# Allegro board C000PD020-3399PRO-DMEB-A-A01.brd (continued)
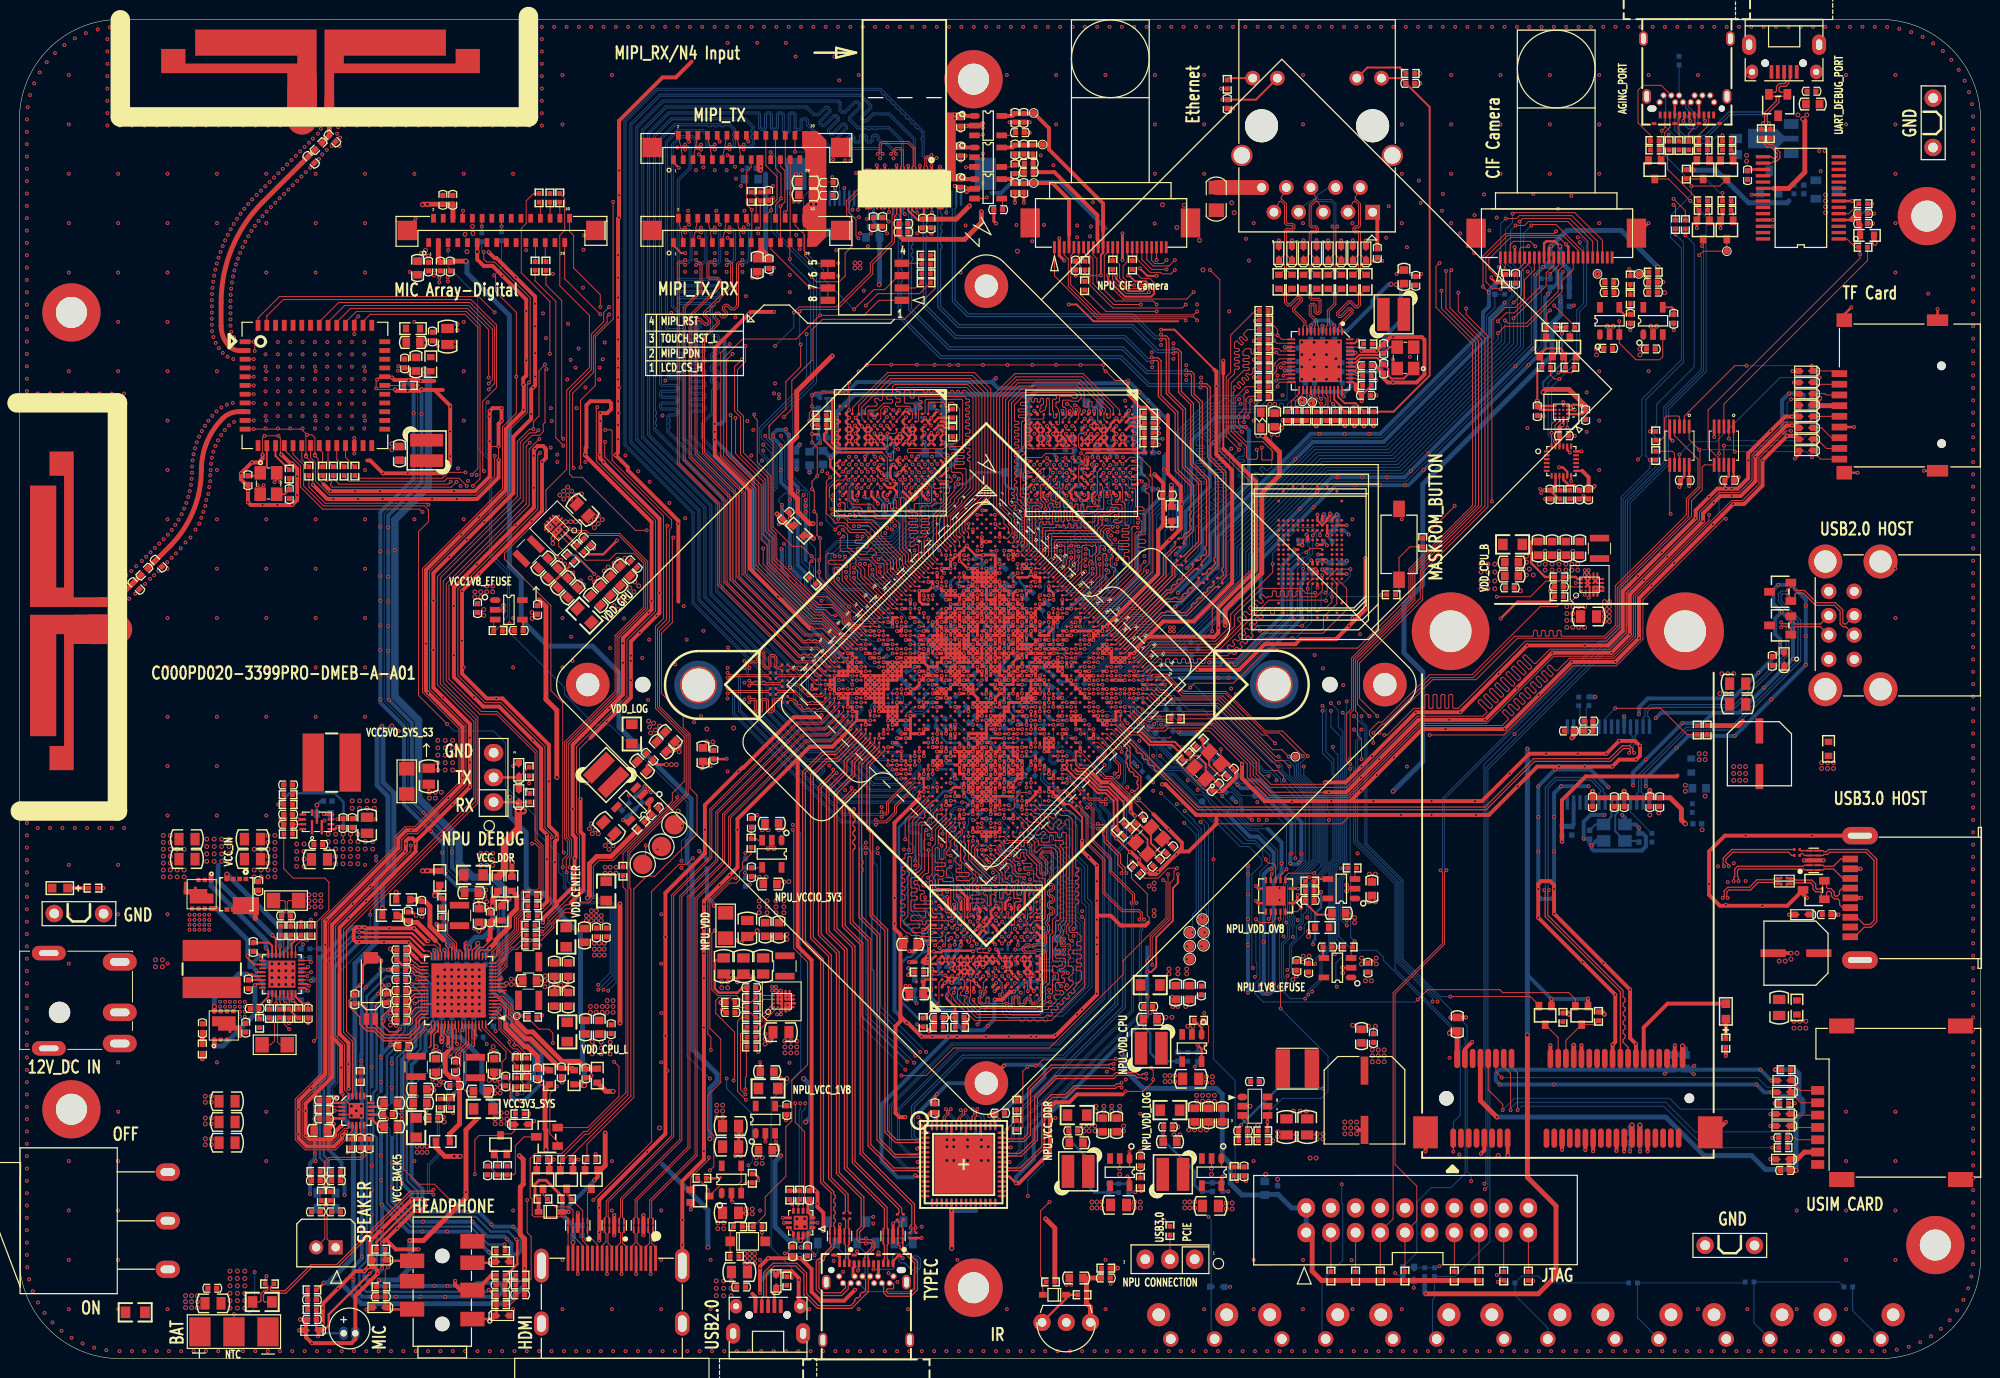
[diagram p0: board, top side]
## Routing (per net, layer and track width the routed paths; a pad name or vN(x,y) marks a point on that pad's centre or on a via; arc(x,y) is an arc through that point) (continued)
SDMMC0_D0: length 14.9
  TOP w0.102: J9100.7 186.46,94.76 185.43,95.79 ED9102.1 v1(185.06,95.18) ; U9702.2 v1(175.89,94.66)
  BOTTOM w0.102: v1(175.89,94.66) 176.1,94.45 183.31,94.45 184.05,95.18 v1(185.06,95.18)
SDMMC0_D0/UART2_RX: length 94.2
  TOP w0.102: v1(175.59,86.42) 175.39,86.42 174.57,85.61 167.06,78.09 167.06,74.03 164.31,71.28 159.84,71.28 152.73,64.17 v1(145.11,64.17) ; U9702.4 v1(174.89,93.13) ; U1000.P32 v1(108.22,67.05)
  S1 w0.089: 112.24,63 111.99,63.26 111.99,63.76 108.84,66.91 108.82,66.91 108.82,66.92 108.55,66.92 108.55,66.91 108.37,66.91 v1(108.22,67.05)
  S1 w0.102: v1(145.11,64.17) 144.7,63.76 139.01,63.76 138.66,63.41 136.42,63.41 136.07,63.76 126.91,63.76 123.45,60.31 114.94,60.31 112.24,63
  BOTTOM w0.102: v1(174.89,93.13) 174.89,87.12 v1(175.59,86.42)
SDMMC0_D1: length 14.9
  TOP w0.102: J9100.8 185.93,93.66 184.97,94.62 ED9101.1 v1(184.46,94.07) ; U9702.8 v1(175.39,93.94)
  BOTTOM w0.102: v1(184.46,94.07) 184.33,93.94 v1(175.39,93.94)
SDMMC0_D1/UART2_TX: length 98.4
  TOP w0.102: U1000.P31 v1(107.77,67.51) ; v1(140.44,64.17) 140.74,64.17 143.48,66.91 144.52,66.91 144.62,67.02 144.62,68.24 144.72,68.34 144.92,68.34 145.02,68.24 145.02,67.02 145.12,66.91 145.35,66.91 145.45,67.02 145.45,68.24 145.56,68.34 145.76,68.34 145.86,68.24 145.86,67.02 145.96,66.91 146.17,66.91 146.27,67.02 146.27,68.24 146.37,68.34 146.57,68.34 146.67,68.24 146.67,67.02 146.78,66.91 146.98,66.91 147.08,67.02 147.08,68.24 147.18,68.34 147.39,68.34 147.49,68.24 147.49,67.02 147.59,66.91 148.06,66.91 154.97,73.82 163.3,73.82 164.62,75.14 164.62,79.21 172.06,86.65 172.06,88.28 173.15,89.37 173.15,91.7 173.41,91.96 U9702.6
  S1 w0.089: 112.95,63.71 112.7,63.97 112.09,63.97 108.94,67.12 108.64,67.12 108.56,67.19 108.55,67.19 108.36,67.38 108.36,67.39 108.24,67.51 v1(107.77,67.51)
  S1 w0.102: 112.95,63.71 116.16,60.51 123.27,60.51 126.72,63.97 136.17,63.97 136.47,63.66 138.51,63.66 138.81,63.97 140.23,63.97 v1(140.44,64.17)
SDMMC0_D2: length 19.8
  TOP w0.102: v1(184.43,102.17) 184.43,101.66 ED9106.1 187,101.63 J9100.1 ; U9704.2 171.32,96.98 176.5,102.17 v1(177.72,102.17)
  BOTTOM w0.102: v1(177.72,102.17) v1(184.43,102.17)
SDMMC0_D2/JTAG_TCK: length 92.9
  TOP w0.102: U1000.M34 v1(110.06,67.05) ; v1(139.32,64.37) 140.23,65.29 140.44,65.29 145.21,70.06 149.58,70.06 153.85,74.33 155.69,74.33 155.79,74.43 155.79,74.84 155.89,74.94 156.09,74.94 156.2,74.84 156.2,74.43 156.3,74.33 156.5,74.33 156.6,74.43 156.6,74.84 156.7,74.94 156.91,74.94 157.01,74.84 157.01,74.43 157.11,74.33 157.31,74.33 157.41,74.43 157.41,74.84 157.52,74.94 157.72,74.94 157.82,74.84 157.82,74.43 157.92,74.33 158.13,74.33 158.23,74.43 158.23,74.84 158.33,74.94 158.53,74.94 158.63,74.84 158.63,74.43 158.74,74.33 163.09,74.33 164.21,75.45 164.21,79.51 171.53,86.83 171.53,88.5 172.72,89.69 172.72,92.56 170.32,94.97 U9704.4
  S1 w0.102: v1(139.32,64.37) 138.81,64.37 138.3,63.87 136.58,63.87 136.27,64.17 126.62,64.17 123.27,60.82 116.15,60.82 112.81,64.16 112.15,64.16 110.06,66.25 v1(110.06,67.05)
SDMMC0_D3: length 22.7
  TOP w0.102: v1(185.24,100.95) 184.94,100.95 ED9105.1 184.66,100.26 J9100.2 ; U9704.8 v1(170.82,93.03)
  BOTTOM w0.102: v1(170.82,93.03) 172.14,94.35 174.57,94.35 181.18,100.95 v1(185.24,100.95)
SDMMC0_D3/JTAG_TMS: length 88.5
  TOP w0.102: U1000.H39 114.21,66.59 115.41,65.39 115.85,65.39 116.36,64.88 117.68,64.88 117.98,65.19 122.76,65.19 126.64,61.3 126.64,59.95 128.67,57.92 136.68,57.92 144.12,65.36 150.96,65.36 157.87,72.27 163.97,72.27 166.07,74.37 166.07,78.48 173.86,86.28 v1(173.86,86.83) ; U9704.6 169.82,87.02 v1(169.9,86.93)
  S1 w0.102: v1(169.9,86.93) 173.76,86.93 v1(173.86,86.83)
SDMMC0_DET_L: length 106.5
  TOP w0.102: U9704.1 171.82,94.57 v1(172.85,93.53) 172.92,93.46 172.92,89.61 171.73,88.41 171.73,86.62 164.41,79.31 164.41,75.35 163.2,74.13 154.15,74.13 149.89,69.86 145.42,69.86 v1(139.93,64.37) ; J9100.9 185.35,92.56 ED9100.1 v1(184.46,92.75) ; v1(176.5,93.33) 176.39,93.45 U9702.1 ; U1000.M35 v1(110.52,66.59)
  S1 w0.102: v1(110.52,66.59) 110.52,66.07 112.22,64.37 112.9,64.37 116.26,61.02 123.16,61.02 126.52,64.37 136.37,64.37 136.68,64.07 138.2,64.07 138.91,64.78 139.52,64.78 v1(139.93,64.37)
  BOTTOM w0.102: v1(184.46,92.75) 183.87,93.33 v1(176.5,93.33) 176.3,93.53 v1(172.85,93.53)
SDMMC0_VDDPST: length 0.7
  TOP w0.305: U1000.R26 v1(105.01,69.35)
  BOTTOM w0.254: 105.01,69.09 105.01,69.35 v1(105.01,69.35)
SNSN: length 43.1
  TOP w0.127: C2131.2 45.39,30.12 45.39,31.18 v1(45.29,31.28) 45.29,31.42 46.23,32.36 46.23,33.97 46.24,33.98 U?.63 ; R2037.2 25.83,7.33 25.83,7.07 25.92,6.98 27.31,6.98 29.99,9.66 32.64,9.66 40.2,17.23 42.45,17.23 v1(42.6,17.38)
  BOTTOM w0.102: v1(45.29,31.28) 45.29,28.66 44.23,27.61 44.23,26.18 43.21,25.16 43.21,20.89 42.19,19.87 42.19,17.31 42.29,17.21 42.44,17.21 v1(42.6,17.38)
SNSP: length 43.6
  TOP w0.127: C2131.1 v1(44.88,30.97) 44.91,31 44.91,31.43 45.95,32.47 45.95,33.97 45.89,34.03 45.89,34.38 U?.62 ; v1(42.6,16.87) 42.48,17 40.33,17 32.74,9.41 30.1,9.41 27.42,6.73 25.27,6.73 25.11,6.56 25.11,5.96 25.23,5.83 R2035.1
  BOTTOM w0.102: v1(42.6,16.87) 42.5,16.98 42.2,16.98 41.99,17.19 41.99,19.98 43,20.99 43,25.26 44.02,26.27 44.02,27.7 45.03,28.71 45.03,30.82 v1(44.88,30.97)
SPI1_CLK: length 28.5
  TOP w0.102: v1(128.85,49.85) 128.76,49.75 U1300.6 ; U1000.G36 v1(113.28,68.43)
  BOTTOM w0.102: v1(128.85,49.85) 129.46,50.46 129.46,52.28 127.43,54.32 126.62,54.32 124.69,56.25 124.69,56.45 124.3,56.84 124.02,56.84 TP1304.1 122.28,58.58 121.74,58.58 119.56,60.77 118.02,60.77 117.02,61.77 117.02,62.61 115.02,64.61 115.02,65.52 114.31,66.23 114.31,66.95 113.28,67.98 v1(113.28,68.43)
SPI1_CS0: length 28.7
  TOP w0.102: U1000.H35 v1(112.36,68.43) ; U1300.5 129.26,50.66 128.96,50.96 128.55,50.96 128.24,51.27 v1(128.24,51.37)
  BOTTOM w0.089: 113.97,64.73 113.11,65.59 113.11,66 112.04,67.07 112.04,67.65 112.36,67.98 v1(112.36,68.43)
  BOTTOM w0.102: 123.06,55.84 123.06,55.84 122.97,55.93 ; 123.06,55.84 125.91,53 127.13,53 127.94,52.18 127.94,51.67 v1(128.24,51.37) ; 123.06,55.84 122.97,55.93 ; 122.97,55.93 121.69,57.21 TP1303.1 121.41,57.34 118.69,60.06 117.78,60.06 116.08,61.76 116.08,62.22 114.27,64.02 114.27,64.43 113.97,64.73
SPI1_RXD: length 29.3
  TOP w0.102: v1(130.38,50.35) 129.76,49.74 U1300.4 ; U1000.F37 v1(114.2,68.43)
  BOTTOM w0.102: v1(130.38,50.35) 130.38,54.82 127.28,57.92 TP1302.1 125.76,57.92 124.54,59.14 123.91,59.14 121.37,61.68 118.95,61.68 115.65,64.99 115.65,65.79 114.94,66.51 114.94,67.22 114.2,67.95 v1(114.2,68.43)
SPI1_TXD: length 35
  TOP w0.102: v1(133.22,49.95) 130.58,49.95 130.26,49.63 U1300.3 ; U1000.B39 116.9,69.35 117.4,68.84 117.76,68.84 118.63,67.98 123.62,67.98 128.96,62.65 129.91,62.65 v1(130.61,61.95) 130.63,61.94 TP1301.1
  BOTTOM w0.102: v1(130.61,61.95) 131.39,61.17 131.39,59.94 133.93,57.4 133.93,50.66 v1(133.22,49.95)
SPK1_N: length 9.6
  TOP w0.102: C7515.2 35.64,21.35 35.64,20.91 35.21,20.48 31.96,20.48 31.65,20.18 31.65,19.72 R7517.2 31.75,19.25 31.65,19.15 31.65,18.41 31.75,18.31 C7519.2 31.65,17.83 31.65,17.52 R7514.2
SPK1_P: length 9.6
  TOP w0.102: C7514.2 35.41,21.35 35.41,21.01 35.12,20.71 31.86,20.71 31.42,20.27 31.42,19.72 R7516.1 31.35,19.25 31.45,19.15 31.45,18.41 31.35,18.31 C7518.1 31.42,17.83 31.42,17.52 R7513.2
SPKN_OUT: length 5.7
  TOP w0.102: R7514.1 31.65,15.91 31.65,15.57 C7004.1 31.65,14.62 31.65,12.33 J7001.1
SPKP_OUT: length 5.7
  TOP w0.102: R7513.1 31.42,15.91 31.42,15.57 C7006.1 31.42,14.62 31.42,12.33 J7001.2
SW1: length 1.9
  TOP w0.152: 49.28,38.93 49.66,39.3 ; 49.28,38.93 49.18,38.93 ; 49.28,38.93 49.59,38.93 49.76,39.1 ; 49.18,38.93 49.35,39.1 ; 49.18,38.93 U?.12
SW2: length 2.5
  TOP w0.152: 49.66,37.78 49.56,37.88 ; 49.66,37.78 49.76,37.78 49.96,37.58 ; 49.66,37.78 49.45,37.78 49.35,37.88 ; 49.56,37.88 50.06,37.88 ; 49.56,37.88 49.35,37.88 ; U?.9 48.69,37.88 49.25,37.88 ; 49.35,37.88 49.25,37.88 ; 49.25,37.88 49.45,37.68
SW3: length 0.8
  TOP w0.152: U?.25 45.54,41.8 45.29,42.05
SW4: length 3.2
  TOP w0.152: 46.94,33.92 46.81,33.8 46.81,32.19 46.71,32.09 ; 46.94,33.92 46.94,33.39 47.12,33.21 ; 46.94,33.92 U?.65
TCK: length 5.6
  TOP w0.102: R9715.1 168.88,94.51 169.29,94.91 169.29,96.78 169.49,96.99 170.71,96.99 170.82,96.89 U9704.3
TMS: length 3.2
  TOP w0.102: U9704.7 170.31,91.97 170.31,93.13 170.06,93.37 R9717.1
TOUCH_INT_L: length 66.1
  TOP w0.102: U1000.AK3 v1(86.62,73.03) ; 79.3,119.83 J5100.25 ; 79.3,119.83 v1(79.38,119.9) ; 79.3,119.83 J5101.25 79.27,114.81 v1(79.27,113.14)
  S1 w0.102: v1(79.38,119.9) 84.36,119.9 v1(84.89,120.43)
  BOTTOM w0.102: v1(86.62,73.03) 85.83,73.82 84.86,73.82 81.51,77.18 81.2,77.18 77.55,80.83 77.55,84.19 77.04,84.69 77.04,89.27 77.55,89.77 77.55,93.53 76.33,94.75 76.33,95.57 81.41,100.65 81.41,110.7 79.27,112.84 v1(79.27,113.14) ; J5000.25 v1(84.89,120.43)
TOUCH_RST/MIPI_RST: length 8.2
  TOP w0.102: J5101.26 79.8,116.63 80.8,115.63 80.8,113.5 81.59,112.71 S5100.5 S5100.6
TOUCH_RST_L: length 116
  TOP w0.102: v1(85.88,107.96) 87.91,109.99 89.03,109.99 90.48,111.44 S5100.3 ; U1000.AG6 v1(89.38,73.03) ; J5100.26 v1(79.8,124.17) ; v1(57.02,91.65) 56.92,91.76 56.92,99.32 59.06,101.46 59.06,105.22 60.48,106.64 60.48,107.25 v1(60.68,107.45)
  S1 w0.089: 87.26,74.69 87.68,74.27 88.92,73.03 v1(89.38,73.03)
  S1 w0.102: v1(57.02,91.65) 57.18,91.65 57.48,91.35 60.1,91.35 66.35,85.1 67.18,85.1 75.28,77.01 82.69,77.01 83.64,76.06 84.46,76.06 85.57,74.94 87.01,74.94 87.26,74.69 ; v1(60.68,107.45) 61.34,108.11 82.63,108.11 82.78,107.96 v1(85.88,107.96)
  BOTTOM w0.102: v1(85.88,107.96) 82.73,111.11 82.73,112.02 80.7,114.06 80.7,119.59 81.36,120.25 81.36,121.07 ; v1(79.8,124.17) 80.9,124.17 81.36,123.71 81.36,121.07 ; J5000.26 84.39,120.83 84.15,121.07 81.36,121.07
TSADC_INT_H: length 123.2
  TOP w0.102: v1(61.19,30.54) 61.7,30.03 61.7,26.99 58.48,23.77 D2100.2 ; U1000.E38 v1(115.12,68.43)
  S1 w0.102: v1(61.19,30.54) 61.49,30.85 80.29,30.85 81.92,32.47 90.14,32.47 91.26,33.59 92.89,33.59 93.4,34.1 93.8,34.1 94.31,33.59 106.4,33.59 114.33,41.51 123.67,41.51 125.7,43.55 129.97,43.55 v1(130.07,43.44)
  BOTTOM w0.102: v1(115.12,68.43) 115.22,68.34 116.97,68.34 117.07,68.24 118.8,68.24 120.27,66.76 121.89,66.76 128.14,60.51 128.96,60.51 129.77,59.7 129.77,59.29 132.31,56.75 132.31,51.17 130.07,48.93 130.07,45.07 129.97,44.97 129.97,43.65 130.07,43.55 v1(130.07,43.44)
TYPEC0_DM: length 88.3
  TOP w0.102: U1000.AU12 v1(87.54,65.68)
  TOP w0.127: v1(84.1,60.26) 84,60.26 82.5,58.76 82.5,43.67 84.35,41.82 84.35,19.15 86.89,16.61 86.89,13.47 86.46,13.04 86.46,12.37 86.59,12.24 86.98,12.24 v1(87.1,12.36) 87.22,12.23 87.7,12.23 87.99,11.94 87.99,11.32 87.28,10.62 87.28,10.4 87.39,10.29 J2600.A7 ; J2600.B7 87.07,8.13 87.07,7 86.89,6.82 86.79,6.82 86.79,6.82 86.69,6.82 86.51,6.64 86.51,6.54 86.51,6.53 86.51,6.43 86.33,6.25 86.23,6.25 86.13,6.25 85.95,6.07 85.95,5.97 85.95,5.97 85.95,5.87 85.52,5.45 82.22,5.45 81,6.67 81,8.8 79.98,9.82 77.55,9.82 76.57,8.84 76.57,6.43 76.39,6.24 J2601.2
  S1 w0.127: v1(87.54,65.68) 87.54,65.76 87.44,65.86 87.4,65.86 87.26,66 86.88,66 86.56,65.68 86.56,64.87 85.24,63.55 85.24,61.57 84.08,60.41 84.08,60.28 v1(84.1,60.26)
  BOTTOM w0.127: v1(87.1,12.36) 86.32,12.36 86.19,12.23 U2605.2 86.19,11.74 87.02,10.91 87.02,8.74 J2600.B7
TYPEC0_DP: length 88.5
  TOP w0.102: U1000.AT12 v1(88,66.14)
  TOP w0.127: J2600.A6 86.89,10.29 87,10.4 87,10.74 87.71,11.44 87.71,11.82 87.58,11.95 87.2,11.95 v1(87.1,11.85) 86.98,11.96 86.47,11.96 86.18,12.25 86.18,13.16 86.61,13.59 86.61,16.5 84.07,19.04 84.07,41.7 82.22,43.56 82.22,58.88 83.74,60.4 v1(83.74,60.62) ; J2601.3 77.04,6.24 76.85,6.43 76.85,8.73 77.66,9.54 79.87,9.54 80.72,8.68 80.72,6.55 82.1,5.17 85.64,5.17 87.35,6.88 87.35,8.27 J2600.B6
  S1 w0.127: v1(83.74,60.62) 83.9,60.62 84.96,61.68 84.96,63.66 86.28,64.98 86.28,65.8 86.77,66.28 87.38,66.28 87.52,66.14 v1(88,66.14)
  BOTTOM w0.127: J2600.B6 87.3,8.7 87.3,10.93 88.09,11.73 U2605.1 88.05,11.85 v1(87.1,11.85)
TYPEC0_ID: length 68.4
  TOP w0.102: v1(79.48,8.29) 79.33,8.44 R2614.2
  TOP w0.305: U1000.AT17 v1(90.3,63.84)
  S1 w0.089: 88.32,61.43 88.32,62.44 89.71,63.84 v1(90.3,63.84)
  S1 w0.102: 88.32,61.43 88.32,56.45 87.4,55.54 87.38,55.54 79.68,55.54 79.58,55.43 v1(79.58,54.93)
  BOTTOM w0.102: v1(79.58,54.93) 80.39,54.11 80.39,29.63 77.34,26.58 77.34,11.44 79.48,9.31 v1(79.48,8.29)
TYPEC0_RX1N: length 67.2
  TOP w0.127: J2600.B10 85.28,7.5 85.28,7.15 84.62,6.49 82.61,6.49 81.99,7.11 81.99,9.98 83.51,11.5 83.51,11.77 83.39,11.89 U2601.6 U2601.5 83.39,13.47 83.52,13.59 83.52,17.05 82.45,18.12 82.45,40.99 80.59,42.85 80.59,60.41 82.63,62.44 83.91,62.44 86.16,64.7 U1000.AY11
TYPEC0_RX1P: length 67.4
  TOP w0.127: U1000.AW11 86.62,64.76 84.02,62.16 82.74,62.16 80.87,60.3 80.87,42.96 82.73,41.11 82.73,18.24 83.79,17.17 83.79,16.92 83.95,16.76 83.95,16.51 83.79,16.36 83.79,16.1 83.95,15.95 83.95,15.7 83.79,15.54 83.79,15.29 83.95,15.14 83.95,14.88 83.79,14.73 83.79,14.48 83.95,14.33 83.95,14.07 83.79,13.92 83.79,13.62 83.89,13.53 U2601.4 U2601.7 83.89,11.9 83.79,11.79 83.79,11.39 82.83,10.42 82.83,10.17 82.7,10.04 82.45,10.04 82.27,9.86 82.27,7.22 82.72,6.77 84.5,6.77 85,7.27 85,7.5 J2600.B11
TYPEC0_RX2N: length 58.4
  TOP w0.127: U1000.AY13 87.08,63.78 84.86,61.56 84.86,60.41 83.03,58.58 83.03,43.86 84.89,42.01 84.89,19.55 89,15.44 89,13.45 88.89,13.34 U2602.5 U2602.6 88.89,11.79 89,11.68 89,10.27 88.89,10.16 J2600.A10
TYPEC0_RX2P: length 58.9
  TOP w0.127: U1000.AW13 87.54,63.84 85.14,61.44 85.14,60.3 83.31,58.47 83.31,43.98 85.17,42.12 85.17,19.67 89.28,15.55 89.28,13.42 89.39,13.31 U2602.4 U2602.7 89.39,11.79 89.28,11.68 89.28,10.27 89.39,10.16 J2600.A11
TYPEC0_SBU1: length 2.2
  TOP w0.203: U1000.AT11 v1(88,67.05)
  BOTTOM w0.127: v1(88,67.05) 88,67.3 88.13,67.43 C2600.1
TYPEC0_SBU1_DC: length 3.9
  TOP w0.305: U1000.AH17 v1(93.98,67.51)
  BOTTOM w0.127: v1(93.98,67.51) 93.83,67.51 93.7,67.39 93.7,67.02 93.02,66.33 92.06,66.33 91.88,66.51 91.45,66.51 R2600.1
TYPEC0_SBU2: length 2.7
  TOP w0.203: U1000.AU11 v1(87.54,66.59)
  BOTTOM w0.127: v1(87.54,66.59) 87.6,66.66 87.6,67.2 88.04,67.64 88.63,67.64 C2601.1
TYPEC0_SBU2_DC: length 4
  TOP w0.305: U1000.AG17 v1(94.44,67.97)
  BOTTOM w0.127: R2609.1 92.18,66.61 92.89,66.61 93.42,67.14 93.42,67.65 93.74,67.97 v1(94.44,67.97)
TYPEC0_TX1N: length 54.2
  TOP w0.127: U1000.AW12 87.08,64.3 84.23,61.45 83.15,61.45 81.69,59.99 81.69,43.37 83.54,41.51 83.54,18.64 85.27,16.92 85.27,15.16 85.46,14.97 C2602.1
TYPEC0_TX1P: length 53.7
  TOP w0.127: U1000.AY12 86.62,64.24 84.12,61.73 83.03,61.73 81.41,60.11 81.41,43.25 83.26,41.4 83.26,18.53 84.99,16.8 84.99,15.12 C2603.1
TYPEC0_TX2N: length 53.4
  TOP w0.127: C2604.1 90.78,15.01 90.78,15.48 85.98,20.28 85.98,42.43 84.13,44.28 84.13,58.16 85.95,59.99 85.95,61.34 88,63.38 U1000.AW14
TYPEC0_TX2P: length 52.9
  TOP w0.127: U1000.AY14 87.54,63.32 85.67,61.45 85.67,60.11 83.85,58.28 83.85,44.17 85.7,42.31 85.7,20.16 90.5,15.36 90.5,15.01 C2605.1
TYPEC0_U2VBUSDET: length 65.8
  TOP w0.102: v1(79.58,54.42) 79.68,54.32 79.68,42.23 81.1,40.8 81.1,30.24 79.48,28.61 79.48,24.45 78.87,23.84 78.87,18.76 76.73,16.62 76.73,14.8 R2613.1 R2612.2
  TOP w0.305: U1000.AR17 v1(90.76,64.3)
  S1 w0.089: 88.11,61.63 88.11,62.65 89.76,64.3 v1(90.76,64.3)
  S1 w0.102: v1(79.58,54.42) 79.17,54.82 79.17,55.54 79.27,55.64 79.49,55.64 79.6,55.74 87.3,55.74 88.11,56.55 88.11,61.63
  BOTTOM w0.089: C2609.1 90.54,64.52 v1(90.76,64.3)
TYPEC_AUXM: length 80.3
  TOP w0.127: v1(85.98,58.38) 85.88,58.38 84.96,57.47 84.96,44.56 86.79,42.73 86.79,21.19 92.1,15.89 92.1,13.83 92.21,13.72 v1(92.21,13.46) 92.1,13.35 92.1,13.13 R2607.1
  S1 w0.127: v1(90.76,68.89) 90.75,68.89 90.75,68.26 90.53,68.03 90.07,68.03 89.74,67.7 89.74,66.91 86.36,63.54 86.36,58.96 85.98,58.58 v1(85.98,58.38)
  BOTTOM w0.127: J2600.B8 87.21,6.89 91.61,6.89 92.02,7.3 92.02,8.68 92.71,9.37 92.71,10.26 92.42,10.55 91.81,10.55 91.26,11.1 91.26,11.59 91.56,11.89 U2604.1 91.44,12.38 91.44,12.58 91.57,12.71 91.72,12.71 92.1,13.09 92.1,13.35 v1(92.21,13.46) ; C2601.2 89.42,68.33 89.99,68.89 v1(90.76,68.89) 90.76,68.33 90.96,68.13 90.96,67.44 91.08,67.31 R2609.2
TYPEC_AUXP: length 79.4
  TOP w0.127: R2606.1 91.82,13.13 91.82,13.35 v1(91.71,13.46) 91.71,13.72 91.82,13.83 91.82,15.77 86.51,21.08 86.51,42.62 84.68,44.45 84.68,57.58 85.64,58.54 85.64,58.72 v1(85.62,58.74) ; J2600.A8 v1(87.89,9.18)
  S1 w0.127: v1(85.62,58.74) 85.74,58.74 86.08,59.08 86.08,63.65 89.46,67.03 89.46,67.82 89.95,68.31 90.17,68.31 v1(90.3,68.44)
  BOTTOM w0.127: v1(87.89,9.18) 89.84,9.18 89.99,9.33 89.99,9.92 89.84,10.07 89.84,10.53 90.13,10.82 90.33,10.82 90.5,10.65 90.5,10.04 90.7,9.84 91.11,9.84 91.86,9.09 92.03,9.09 92.43,9.49 92.43,10.15 92.3,10.27 91.69,10.27 90.98,10.98 90.98,11.72 90.81,11.89 U2604.2 90.03,12.27 90.16,12.39 90.71,12.39 90.86,12.25 91.03,12.25 91.16,12.38 91.16,12.7 91.45,12.99 91.6,12.99 91.82,13.2 91.82,13.35 v1(91.71,13.46) ; R2600.2 90.97,67.01 90.65,67.32 90.65,67.93 90.3,68.29 v1(90.3,68.44) 89.96,68.44 89.83,68.31 C2600.2
TYPEC_CC1: length 14.1
  TOP w0.102: v1(78.77,10.83) 78.93,10.83 C2606.1 79.64,11.55 U2600.11 79.64,13.02 U2600.10 ; v1(86.28,9.05) 86.39,9.17 J2600.A5
  BOTTOM w0.102: v1(86.28,9.05) 86.28,9.31 84.06,11.54 U2603.1 82.39,10.22 81,10.22 80.39,10.83 v1(78.77,10.83)
TYPEC_CC2: length 15.1
  TOP w0.102: U2600.1 81.6,13.23 U2600.14 81.1,12.73 C2607.1 81.81,10.77 v1(81.81,10.63)
  S1 w0.102: J2600.B5 86.65,6.46 83.13,6.46 81.51,8.09 81.51,10.32 v1(81.81,10.63)
  BOTTOM w0.102: U2603.2 82.16,10.97 v1(81.81,10.63)
TYPEC_CC_INT_L: length 119.8
  TOP w0.102: v1(79.83,26.27) 79.83,24.29 80.8,23.33 80.8,16.11 80.64,15.96 U2600.5 ; v1(129.57,60.92) 129.46,60.92 123.16,67.22 116.79,67.22 116.04,67.97
  S1 w0.102: v1(79.83,26.27) 80.65,25.46 85.27,25.46 89.74,20.99 104.89,20.99 108.74,24.83 108.74,27.7 113.92,32.88 128.14,32.88 v1(132.31,37.04)
  BOTTOM w0.102: v1(132.31,37.04) 130.78,37.04 129.97,37.86 129.97,38.97 129.87,39.08 129.87,42.73 130.48,43.34 130.48,44.46 130.78,44.77 130.78,44.97 130.48,45.27 130.48,48.73 133.12,51.37 133.12,57.06 129.57,60.62 v1(129.57,60.92)
TYPECTX1N: length 4.9
  TOP w0.127: J2600.A3 85.39,10.16 85.28,10.27 85.28,11.68 85.39,11.79 U2601.10 U2601.1 85.39,13.35 85.28,13.46 85.28,14.23 C2602.2
TYPECTX1P: length 4.9
  TOP w0.127: C2603.2 85,14.23 85,13.41 84.89,13.3 U2601.2 U2601.9 84.89,11.79 85,11.68 85,10.27 84.89,10.16 J2600.A2
TYPECTX2N: length 12.9
  TOP w0.127: J2600.B3 88.93,7.58 88.93,6.78 89.29,6.41 91.73,6.41 92.4,7.08 92.4,9.93 90.89,11.44 U2602.10 U2602.1 90.89,13.43 90.78,13.55 90.78,14.1 C2604.2
TYPECTX2P: length 12.9
  TOP w0.127: J2600.B2 89.86,7.76 89.95,7.67 89.95,7.29 89.84,7.17 89.33,7.17 89.23,7.07 89.23,6.87 89.41,6.69 91.61,6.69 92.12,7.2 92.12,9.82 90.62,11.32 90.62,11.57 90.39,11.79 U2602.9 U2602.2 90.39,13.43 90.5,13.54 90.5,14.11 C2605.2
U_DM: length 4.9
  TOP w0.127: U9700.16 180.32,123.02 180.5,123.2 180.8,123.2 181.15,123.56 181.15,124.14 180.37,124.93 179.97,124.93 179.84,125.05 179.84,125.28 R9708.1
U_DP: length 4.4
  TOP w0.127: U9700.15 180.32,123.67 180.5,123.48 180.68,123.48 180.87,123.67 180.87,124.02 180.25,124.65 179.86,124.65 179.57,124.94 179.57,125.28 R9709.1
UART0_CTS: length 85.4
  TOP w0.102: U1000.AK7 v1(88.46,71.19) ; v1(48.29,100.34) 48.69,100.75 48.69,105.9 46.23,108.37 33.45,108.37 31.75,106.67 U6100.42
  S1 w0.102: v1(48.29,100.34) 49.5,100.34 50.52,99.32 62.92,99.32 68.2,94.04 v1(76.53,94.04)
  BOTTOM w0.102: v1(88.46,71.19) 87.6,71.19 87,71.79 87,72.17 85.55,73.62 84.66,73.62 81.31,76.97 81.1,76.97 77.34,80.73 77.34,84.07 76.84,84.58 76.84,89.37 77.34,89.88 77.34,93.23 v1(76.53,94.04)
UART0_RTS: length 86.4
  TOP w0.102: U1000.AM6 v1(87.08,70.73) ; U6100.43 30.85,106.68 32.84,108.67 46.35,108.67 48.9,106.13 48.9,100.34 v1(48.29,99.73)
  S1 w0.102: v1(48.29,99.73) 49.5,99.73 50.11,99.12 62.81,99.12 68.5,93.43 v1(76.53,93.43)
  BOTTOM w0.102: v1(76.53,93.43) 76.53,93.13 77.14,92.52 77.14,89.98 76.63,89.47 76.63,84.49 77.14,83.98 77.14,80.63 81,76.77 81.2,76.77 84.56,73.42 85.47,73.42 86.79,72.1 86.79,71.59 87.08,71.3 v1(87.08,70.73)
UART0_RXD: length 88.8
  TOP w0.102: U1000.AE9 v1(91.68,72.57) ; v1(46.66,89.8) 47.4,90.54 47.4,106.33 45.97,107.76 34.67,107.76 33.55,106.64 U6100.40
  S1 w0.089: 82.78,71.74 83.44,71.08 84.35,71.08 85.76,69.68 85.84,69.68 86.03,69.49 87.22,69.49 87.41,69.68 87.68,69.68 87.87,69.49 88.04,69.49 88.05,69.49 88.14,69.49 88.33,69.68 88.33,69.77 88.42,69.86 88.51,69.86 89.25,70.6 89.51,70.6 89.64,70.47 89.64,70.47 89.71,70.41 89.97,70.41 90.04,70.47 90.04,70.47 90.17,70.6 90.43,70.6 90.56,70.47 90.86,70.47 91.25,70.87 91.35,70.87 91.81,71.33 91.81,71.33 92,71.52 92,72.25 v1(91.68,72.57)
  S1 w0.102: v1(46.66,89.8) 48.51,87.95 59.97,87.95 75.69,72.23 82.29,72.23 82.78,71.74
UART0_TXD: length 83
  TOP w0.102: v1(48.29,100.95) 48.29,105.88 46.1,108.06 34.06,108.06 32.65,106.65 U6100.41 ; U1000.AJ6 v1(88.46,72.11)
  S1 w0.102: v1(76.73,94.96) 67.59,94.96 63.02,99.53 50.62,99.53 49.2,100.95 v1(48.29,100.95)
  BOTTOM w0.089: v1(88.46,72.11) 88,72.11 85.98,74.13
  BOTTOM w0.102: v1(76.73,94.96) 76.89,94.8 76.89,94.6 77.75,93.74 77.75,89.67 77.24,89.16 77.24,84.8 77.75,84.29 77.75,80.94 81.31,77.38 81.61,77.38 84.86,74.13 85.98,74.13
UART2_RX_DEBUG: length 24.6
  TOP w0.102: U9702.3 175.39,98.21 190.16,112.98 R9700.1
UART2_TX_DEBUG: length 34.8
  TOP w0.102: v1(190.63,118.83) R9701.1 ; v1(189.41,113.65) 189.41,113.24 173.76,97.6 173.76,93.74 174.89,92.61 U9702.7
  BOTTOM w0.102: v1(190.63,118.83) 189.41,117.61 v1(189.41,113.65)
UIM_CLK: length 36.1
  TOP w0.102: v1(152.53,28.92) 151.93,29.51 J8300.12 ; J8301.C3 183.28,26.33 ED8302.1 v1(182.19,27.93)
  BOTTOM w0.102: v1(182.19,27.93) 179.83,27.93 178.84,28.92 v1(152.53,28.92)
UIM_DAT: length 42
  TOP w0.102: v1(182.7,26.27) R8306.2 182.12,26.19 ED8303.1 182.24,25.06 J8301.C7 ; v1(152.63,25.56) 152.63,26.17 151.13,27.67 J8300.10
  BOTTOM w0.102: v1(182.7,26.27) 182.09,25.66 170.92,25.66 169.8,26.78 153.85,26.78 v1(152.63,25.56)
UIM_DET: length 4.4
  TOP w0.102: J8301.C9 183.26,27.6 ED8304.1 182.22,29.71 R8307.2
UIM_PWR: length 61.8
  TOP w0.508: J8301.C1 183.67,21.25 182.95,20.53 ED8300.1 182.08,19.42 C8314.1 v2(182.8,19.37) ; J8300.8 150.33,26.54 v1(152.02,24.85) ; v1(180.67,26.27) R8306.1 ; R8307.1 v1(180.67,29.73)
  BOTTOM w0.508: v1(180.67,26.27) 181.38,26.99 183.11,26.99 ; v1(180.67,29.73) 182.7,29.73 183.11,29.32 183.11,26.99 ; 183.11,26.99 183.52,26.58 183.52,25.36 182.8,24.65 v2(182.8,19.37) 182.7,19.47 179.65,19.47 178.23,20.89 173.36,20.89 169.39,24.85 v1(152.02,24.85)
UIM_RST: length 39.6
  TOP w0.102: J8300.14 152.73,30.03 153.44,29.32 v1(153.44,25.56) ; v1(181.99,23.33) 182.12,23.45 ED8301.1 182.29,23.79 J8301.C2
  BOTTOM w0.102: v1(181.99,23.33) 172.44,23.33 169.39,26.38 154.05,26.38 153.44,25.77 v1(153.44,25.56)
UIM_VPP: length 34.4
  TOP w0.102: J8300.16 153.53,30.04 154.15,29.42 v1(154.15,25.56) ; R8308.1 v1(180.37,21.7)
  BOTTOM w0.102: v1(154.15,25.56) 154.56,25.97 169.19,25.97 173.46,21.7 v1(180.37,21.7)
USB20_AVDD_0V9: length 1.3
  TOP w0.254: U1000.V24 v1(102.25,68.43)
  BOTTOM w0.254: R1422.1 102.24,68.45 ; 102.24,68.45 v1(102.25,68.43) ; 102.24,68.45 102.24,68.45 102.24,68.84 C1430.1
USB20_AVDD_1V8: length 37.3
  TOP w0.254: U1000.U24 v1(103.17,69.35)
  S1 w0.254: v1(103.17,69.35) 103.15,69.35 103.05,69.25
  S1 w0.406: 96.65,61.73 96.26,61.35 96.26,61.26 96.24,61.23 96.24,60.92 95.02,59.7 95.02,58.7 94.92,58.6 94.92,58.58 94.64,58.3 94.62,58.3 92.18,55.86 92.18,51.98 90.91,50.71 76.65,50.71 76.65,50.71 75.72,50.71 75.72,50.71 72.01,50.71 70.49,52.23 v1(69.93,52.23)
  BOTTOM w0.254: v1(103.17,69.35) 103.2,69.32 C1431.1
  BOTTOM w0.406: FB1400.1 70.74,51.42 v1(69.93,52.23)
USB20_HOST0_DM: length 60.9
  TOP w0.089: 113.02,63.78 113,63.8 113,63.82 112.51,64.32 112.38,64.32 U1000.M40
  TOP w0.127: v1(114.48,58.38) 114.63,58.38 114.63,58.38 114.67,58.38 114.68,58.39 114.8,58.39 115.11,58.7 115.11,59.01 114.99,59.14 114.99,59.37 115.11,59.5 115.11,59.78 114.99,59.9 114.78,59.9 114.68,60.01 114.68,60.21 114.53,60.36 114.33,60.36 114.19,60.5 114.19,60.6 114.19,60.6 114.19,60.7 114.01,60.88 114.01,61.22 113.87,61.36 113.87,61.62 114.01,61.75 114.01,62.01 113.87,62.15 113.87,62.4 114.01,62.54 114.01,62.79 113.02,63.78
  BOTTOM w0.127: U9705.40 92.63,22.22 92.52,22.34 92.23,22.34 91.8,22.77 91.8,25.98 97.04,31.23 107.4,31.23 112.73,36.55 112.73,52.09 113.64,53.01 113.64,57.39 114.22,57.97 114.22,58.13 v1(114.48,58.38)
USB20_HOST0_DP: length 60.8
  TOP w0.089: U1000.M39 112.41,64.76 113.18,63.99 113.2,63.99 113.22,63.98
  TOP w0.127: v1(114.83,58.03) 115.39,58.59 115.39,59.89 114.29,61 114.29,62.91 113.22,63.98
  BOTTOM w0.127: v1(114.83,58.03) 114.58,57.77 114.42,57.77 113.92,57.27 113.92,52.89 113,51.98 113,36.43 107.52,30.95 97.16,30.95 92.08,25.87 92.08,22.88 92.34,22.61 92.68,22.61 92.79,22.73 U9705.41
USB20_OTG1_DM: length 53
  TOP w0.127: v1(85.88,56.55) 85.88,56.19 85.77,56.08 85.77,55.79 85.87,55.68 85.98,55.57 85.98,55.32 85.87,55.21 85.77,55.11 85.77,54.85 85.87,54.75 85.98,54.64 85.98,54.39 85.87,54.28 85.77,54.18 85.77,53.92 85.87,53.82 85.98,53.71 85.98,53.46 85.87,53.35 85.77,53.25 85.77,52.99 85.87,52.89 85.98,52.78 85.98,52.53 85.87,52.42 85.77,52.31 85.77,44.97 87.6,43.13 87.6,22.01 90,19.61 92.43,19.61 92.54,19.73 U2102.8